# Altium PCB pixracer_pcb_layout_v2.PcbDoc (part 1 of 3) (continued)
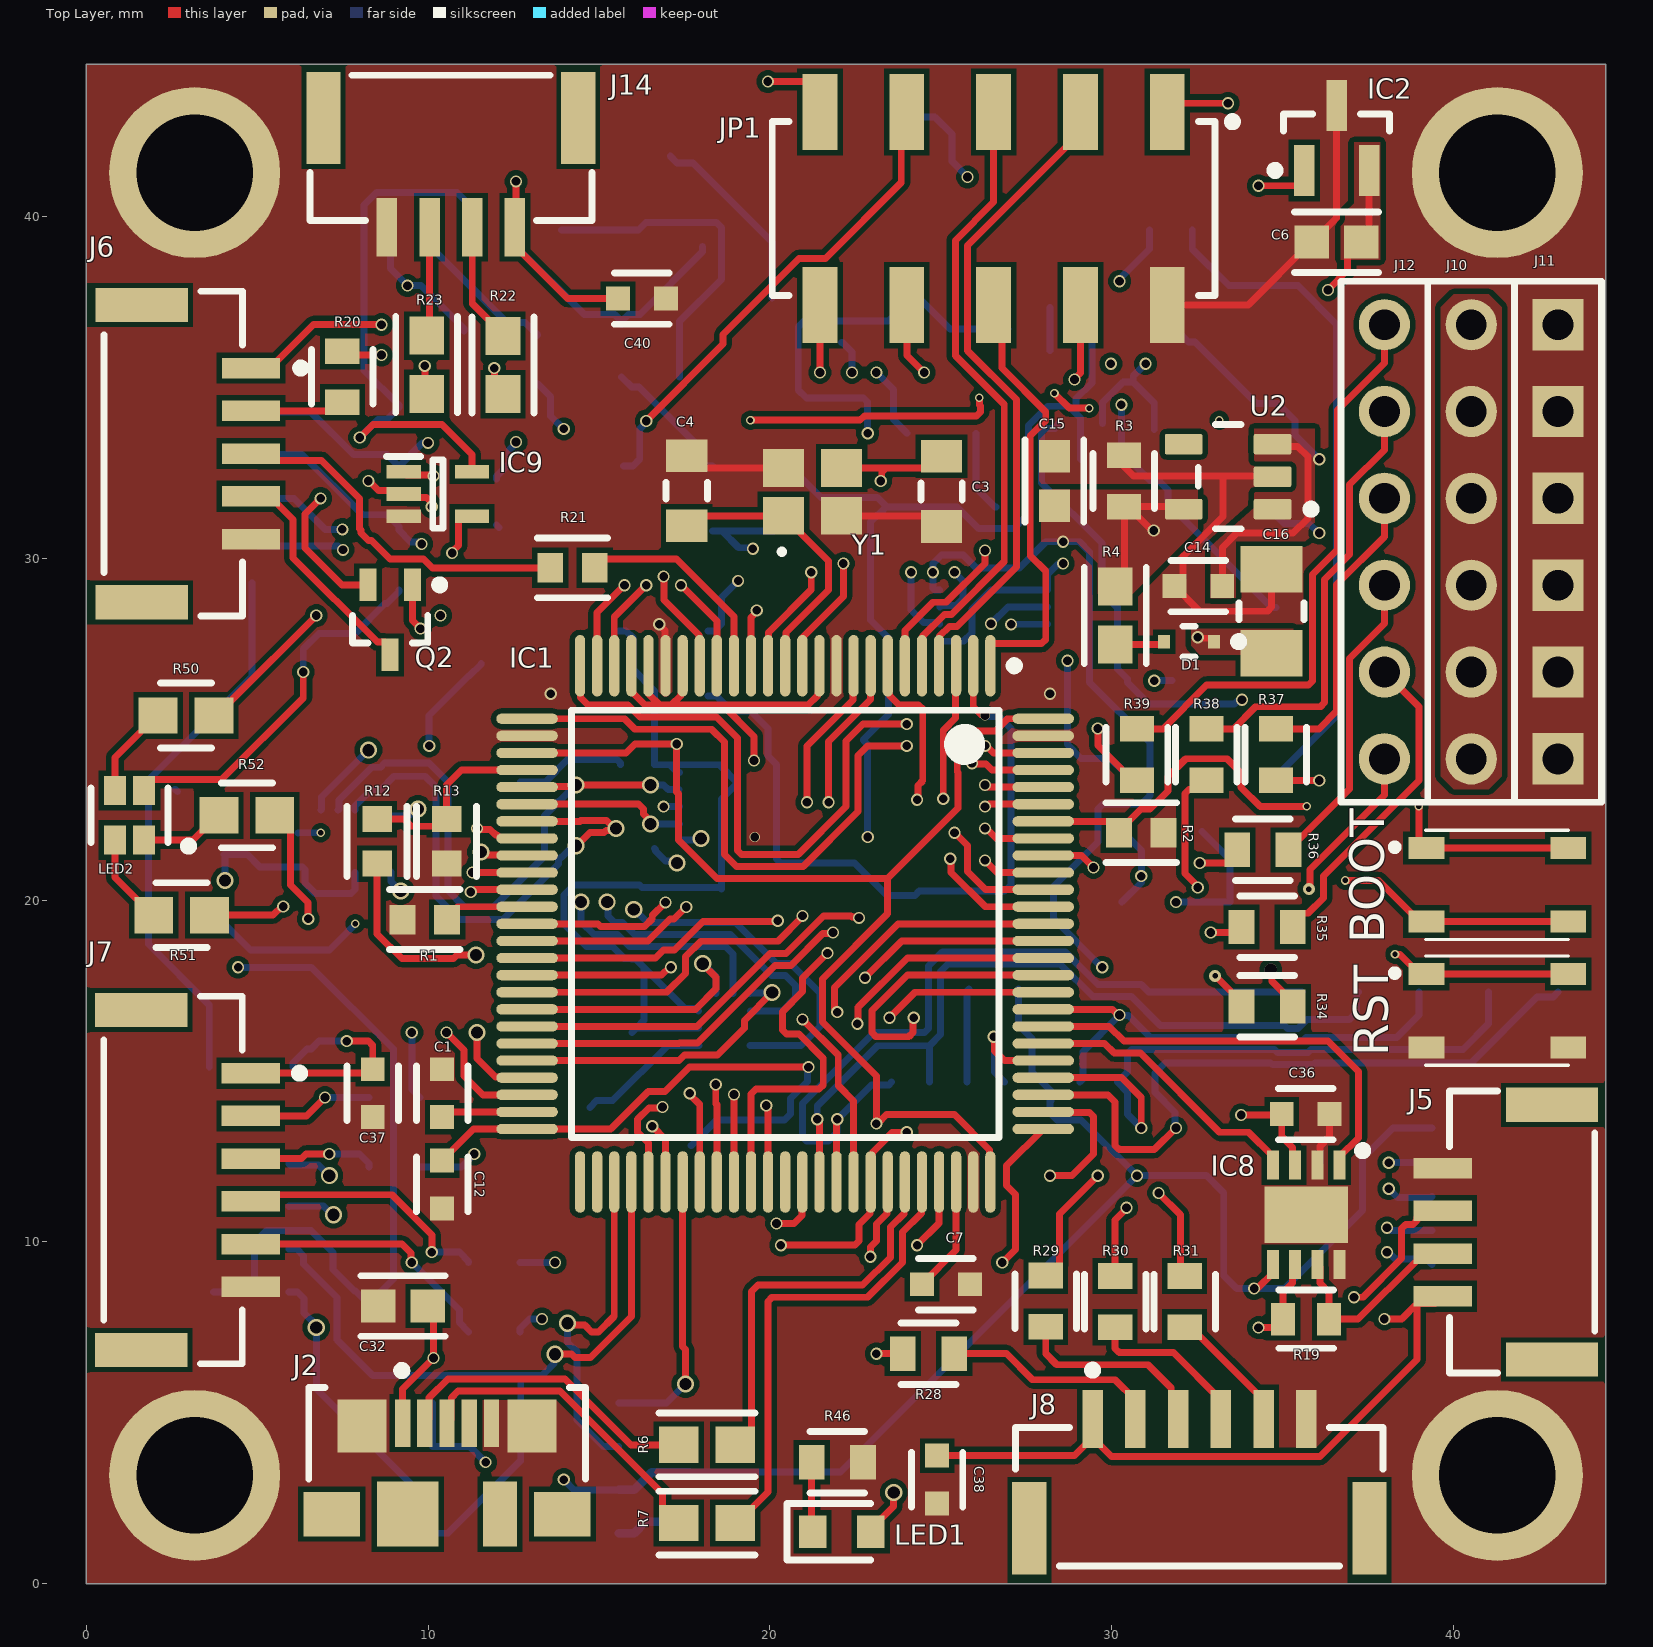
[diagram p0: Top Layer view]
## Classes and differential pairs
component class pixracer_serials: C37 C38 C39 C40 IC9 IC10 J6 J7 J8 J9 J10 J11 J12 J13 J14 JP1 R20 R21 R22 R23 R24 R25 R26 R27 R29 R30 R31 R32 R33 R34 R35 R36 R37 R38 R39 R40 R41
component class pixracer_sd_usb_can_i2c: C32 C33 C34 C35 C36 IC8 J2 J3 J4 J5 R6 R7 R8 R9 R10 R11 R12 R13 R14 R15 R16 R17 R18 R19
component class pixracer_power: C41 C42 C43 C44 C45 D2 D3 D4 D5 F1 F2 F3 IC11 LED1 LED2 Q1 Q2 R42 R43 R44 R45 R46 R47 R48 R49 R50 R51 R52 R53
component class pixracer_imu: C17 C18 C19 C22 C23 C24 C25 C26 C27 C28 C29 C46 C47 C48 IC5 IC6 U1 U3
component class pixracer_fmu: 0. BOOT C1 C2 C4 C5 C6 C7 C8 C9 C10 C11 C12 C13 C14 C15 D1 IC1 IC2 IC3 J1 R1 R3 R4 RST U2 Y1

## Components (designator, comment, footprint, x,y, rotation, side; value= is the part's Value field where it differs from the comment)
BOOT "PTS810SJK250SMTRLFS" PTS810SJG250SMTRLFS 41.275,20.447 r0 top (schematic designator S1)
C1 "C1608X7R1A225K080AC" FP-C1608-080-0_1-MFG 10.414,14.351 r270 top
C2 "0603ZC104MAT2A" FP-0603-L_1_6_0_15-W_0_81-IPC_B 18.415,12.827 r180 bottom
C3 "CGA3E2C0G1H080D080AA" FP-CGA3E-0_3-0_1-IPC_A 25.022,31.953 r270 top
C4 "CGA3E2C0G1H080D080AA" FP-CGA3E-0_3-0_1-IPC_A 17.567,31.975 r270 top
C5 "0603ZC104MAT2A" FP-0603-L_1_6_0_15-W_0_81-IPC_B 17.653,2.54 r270 bottom
C6 "0603ZC104MAT2A" FP-0603-L_1_6_0_15-W_0_81-IPC_B 36.576,39.243 r180 top
C7 "C1608X7R1A225K080AC" FP-C1608-080-0_1-MFG 25.146,8.763 r180 top
C8 "0603ZC104MAT2A" FP-0603-L_1_6_0_15-W_0_81-IPC_B 19.177,8.128 r90 bottom
C9 "0603ZC104MAT2A" FP-0603-L_1_6_0_15-W_0_81-IPC_B 17.145,8.128 r90 bottom
C10 "0603ZC104MAT2A" FP-0603-L_1_6_0_15-W_0_81-IPC_B 15.113,8.128 r90 bottom
C11 "0603ZC104MAT2A" FP-0603-L_1_6_0_15-W_0_81-IPC_B 18.415,10.795 r180 bottom
C12 "C1608X7R1A225K080AC" FP-C1608-080-0_1-MFG 10.414,11.684 r90 top
C13 "C1608X7R1A225K080AC" FP-C1608-080-0_1-MFG 15.494,10.668 r0 bottom
C14 "C1608X7R1A225K080AC" FP-C1608-080-0_1-MFG 32.531,29.182 r0 top
C15 "CL10A106KP8NNND" FP-CL10-IPC_B 28.321,32.258 r90 top
C16 "GRM31CR60G227ME11L" FP-GRM31C-0_3-e0_3_0_9-IPC_C 34.671,28.448 r90 top
C17 "C1608X7R1A225K080AC" FP-C1608-080-0_1-MFG 3.302,23.241 r0 bottom
C18 "0603ZC104MAT2A" FP-0603-L_1_6_0_15-W_0_81-IPC_B 3.302,21.336 r0 bottom
C19 "0603ZC104MAT2A" FP-0603-L_1_6_0_15-W_0_81-IPC_B 3.302,19.304 r0 bottom
C22 "C1608X7R1A225K080AC" FP-C1608-080-0_1-MFG 19.05,24.13 r270 bottom
C23 "0603ZC104MAT2A" FP-0603-L_1_6_0_15-W_0_81-IPC_B 19.304,20.32 r180 bottom
C24 "CL10B474KP8NNNC" FP-CL10-IPC_B 12.7,22.733 r270 bottom
C25 "0603ZC104MAT2A" FP-0603-L_1_6_0_15-W_0_81-IPC_B 8.255,8.89 r90 bottom
C26 "W2H13C1048AT1F" W2H13C1048AT1A 28.194,36.703 r180 bottom
C27 "C1608X7R1A225K080AC" FP-C1608-080-0_1-MFG 24.257,37.019 r270 bottom
C28 "0603ZC104MAT2A" FP-0603-L_1_6_0_15-W_0_81-IPC_B 13.589,26.198 r90 bottom
C29 "CL10A106KP8NNND" FP-CL10-IPC_B 11.557,26.198 r270 bottom
C32 "0603ZC104MAT2A" FP-0603-L_1_6_0_15-W_0_81-IPC_B 9.271,8.128 r0 top
C33 "C1608X5R1H103K080AA" FP-C1608-080-0_1-MFG 29.591,19.939 r180 bottom
C34 "C1608X5R1H103K080AA" FP-C1608-080-0_1-MFG 34.163,19.939 r0 bottom
C35 "0603ZC104MAT2A" FP-0603-L_1_6_0_15-W_0_81-IPC_B 26.543,17.399 r180 bottom
C36 "C1608X7R1A225K080AC" FP-C1608-080-0_1-MFG 35.67,13.738 r180 top
C37 "C1608X7R1A225K080AC" FP-C1608-080-0_1-MFG 8.382,14.351 r270 top
C38 "C1608X7R1A225K080AC" FP-C1608-080-0_1-MFG 24.892,3.048 r270 top
C39 "W2H13C1048AT1F" W2H13C1048AT1A 4.826,15.113 r180 bottom
C40 "C1608X7R1A225K080AC" FP-C1608-080-0_1-MFG 16.256,37.592 r0 top
C41 "C3216X5R1A107M160AC" FP-C3216-160-0_3-IPC_C 21.717,41.529 r270 bottom
C42 "C3216X5R1A107M160AC" FP-C3216-160-0_3-IPC_C 21.844,28.194 r180 bottom
C43 "CL10A106KP8NNND" FP-CL10-IPC_B 20.955,33.02 r0 bottom
C44 "CC0603KRX5R5BB106" FP-CC0603-0_15-0_95-IPC_B 11.998,31.646 r270 bottom
C45 "0603ZC104MAT2A" FP-0603-L_1_6_0_15-W_0_81-IPC_B 14.05,31.617 r270 bottom
C46 "0603ZC104MAT2A" FP-0603-L_1_6_0_15-W_0_81-IPC_B 15.24,16.129 r0 bottom
C47 "C1608X7R1A225K080AC" FP-C1608-080-0_1-MFG 15.621,18.034 r0 bottom
C48 "0603ZC104MAT2A" FP-0603-L_1_6_0_15-W_0_81-IPC_B 14.732,13.208 r90 bottom
D1 "BAS70-02V-V-G-08" FP-S8-V-3880_02-001-MFG 32.258,27.559 r180 top value=1.5pF
D2 "PMEG2020CPA,115" PMEG2020CPA115 29.083,33.143 r180 bottom locked
D3 "MMSZ5232BT1G" ONSC-SOD-123-2-425-04_V 33.528,36.83 r0 bottom
D4 "PMEG1030EH,115" SODFL3516X120N 25.019,31.496 r180 bottom
D5 "1N4448X-TP" 1N4448XTP 16.51,36.83 r180 bottom
F1 "0ZCJ0100FF2E" FUSC3216X100N 24.511,41.402 r90 bottom value="2A RST FUSE"
F2 "0ZCK0035FF2G" FUSC2214X75N 25.019,33.655 r180 bottom value="0.3A RST FUSE"
F3 "0ZCJ0100FF2E" FUSC3216X100N 34.544,33.02 r270 bottom value="1A RST FUSE"
IC1 "STM32F427VIT6" STM-LQFP100_N 20.447,19.304 r270 top
IC2 "MCP131T-300E/TT" SOT-23-TT3_N 36.576,42.291 r90 top
IC3 "FM25V02A-GTR" SOIC127P602X173-8N 12.853,3.385 r180 bottom
IC5 "ICM-20602" INSE-I62-16 16.129,22.733 r180 bottom
IC6 "MS561101BA03-50" MSI-MS561101BA03-50-8_V 4.826,10.414 r0 bottom
IC8 "TJA1051TK_3,118" SON65P300X300X100-9N-D 35.687,10.795 r270 top
IC9 "74LVC1G86SE-7" SOT65P210X110-5N 10.287,31.877 r0 top
IC10 "74LVC2G86DC,125" SOP50P310X100-8N 26.543,28.321 r180 bottom
IC11 "AP7365-33WG-7" SOT95P285X130-5N 17.018,31.75 r180 bottom
J1 "SM06B-SRSS-TB(LF)(SN)" JST-SM06B-SRSS-TB_V 41.82,10.835 r270 bottom
J2 "473460001" FP-473460001-MFG 10.556,2.389 r0 top
J3 "SM06B-GHS-TB(LF)(SN)" FP-SM06B-GHS-TB_LF_SN-MFG 31.728,41.874 r0 bottom
J4 "PJS008-2120-0" PJS00821200 28.637,0.678 r90 bottom locked
J5 "SM04B-GHS-TB_LF__SN_" SM04B-GHS-TB 39.878,10.287 r90 top
J6 "SM05B-GHS-TB(LF)(SN)" FP-SM05B-GHS-TB_LF_SN-MFG 2.551,33.06 r270 top
J7 "SM06B-GHS-TB(LF)(SN)" FP-SM06B-GHS-TB_LF_SN-MFG 2.54,11.811 r270 top
J8 "SM06B-GHS-TB(LF)(SN)" FP-SM06B-GHS-TB_LF_SN-MFG 32.562,2.551 r0 top
J9 "SM06B-GHS-TB(LF)(SN)" FP-SM06B-GHS-TB_LF_SN-MFG 2.576,32.407 r90 bottom
J10 "Header 6" HDR1X6#1 40.513,24.13 r90 top locked
J11 "Header 6" HDR1X6#2 43.053,24.13 r90 top
J12 "Header 6" HDR1X6#1 37.973,24.13 r90 top locked
J13 "SM05B-GHS-TB(LF)(SN)" FP-SM05B-GHS-TB_LF_SN-MFG 11.398,41.874 r0 bottom
J14 "SM04B-GHS-TB_LF__SN_" SM04B-GHS-TB 10.668,39.878 r180 top
JP1 "SSM-105-L-DV" SMTC-SSM-105-X-DV 26.543,40.228 r180 top locked
LED1 "APG1608ZGCK" LEDC1608X28N 22.098,1.524 r0 top
LED2 "LTST-C19HE1WT" FP-LTST-C19HE1WT-MFG 1.27,22.479 r180 top
Q1 "XP151A12A2MR-G" SOT95P280X130-3N 18.034,40.513 r270 bottom
Q2 "BSS223PW H6327" INF-PG-SOT-323_N 8.89,28.194 r270 top
R1 "ERJ-3GEYJ103V" FP-ERJ3G-IPC_C 9.906,19.431 r180 top
R2 "ERJ-3GEYJ103V" FP-ERJ3G-IPC_C 30.861,21.971 r0 top
R3 "CRCW0603220RFKEB" FP-CRCW0603-e3-MFG 30.353,32.258 r270 top
R4 "RC1608J102CS" FP-RC1608-IPC_A 30.099,28.321 r270 top
R5 "DNP" FP-CRCW0603-e3-MFG 13.335,28.956 r0 bottom
R6 "CRCW060322R0JNEAHP" FP-CRCW0603-HPe3-IPC_A 18.161,4.064 r0 top
R7 "CRCW060322R0JNEAHP" FP-CRCW0603-HPe3-IPC_A 18.161,1.778 r0 top
R8 "RC1608J102CS" FP-RC1608-IPC_A 30.353,22.86 r270 bottom
R9 "RC1608J102CS" FP-RC1608-IPC_A 32.639,22.86 r270 bottom
R10 "CRCW06031M00JNEAHP" FP-CRCW0603-HPe3-IPC_A 28.067,22.86 r270 bottom
R11 "CRCW06031M00JNEAHP" FP-CRCW0603-HPe3-IPC_A 34.925,22.86 r270 bottom
R12 "ERJ-3GEYJ103V" FP-ERJ3G-IPC_C 8.509,21.717 r90 top
R13 "ERJ-3GEYJ103V" FP-ERJ3G-IPC_C 10.541,21.717 r270 top
R14 "RMCF0603JT100K" FP-RMCF0603-IPC_C 35.56,17.907 r90 bottom
R15 "RMCF0603JT100K" FP-RMCF0603-IPC_C 43.053,17.907 r270 bottom
R16 "RMCF0603JT100K" FP-RMCF0603-IPC_C 41.021,17.907 r270 bottom
R17 "RMCF0603JT100K" FP-RMCF0603-IPC_C 38.989,17.907 r270 bottom
R18 "RMCF0603JT100K" FP-RMCF0603-IPC_C 37.211,17.907 r270 bottom
R19 "MCT06030D1200BP100" FP-MCT0603-MFG 35.682,7.743 r0 top
R20 "CRCW0603220RFKEB" FP-CRCW0603-e3-MFG 7.493,35.306 r270 top
R21 "ERJ-3GEYJ103V" FP-ERJ3G-IPC_C 14.224,29.718 r0 top
R22 "RC1608J102CS" FP-RC1608-IPC_A 12.192,35.649 r270 top
R23 "RC1608J102CS" FP-RC1608-IPC_A 9.96,35.659 r270 top
R24 "CRCW0603220RFKEB" FP-CRCW0603-e3-MFG 9.017,14.224 r180 bottom
R25 "CRCW0603220RFKEB" FP-CRCW0603-e3-MFG 9.017,12.192 r180 bottom
R26 "CRCW0603220RFKEB" FP-CRCW0603-e3-MFG 11.938,9.398 r180 bottom
R27 "CRCW0603220RFKEB" FP-CRCW0603-e3-MFG 11.938,7.366 r180 bottom
R28 "CRCW0603220RFKEB" FP-CRCW0603-e3-MFG 24.638,6.731 r0 top
R29 "CRCW0603220RFKEB" FP-CRCW0603-e3-MFG 28.067,8.267 r270 top
R30 "CRCW0603220RFKEB" FP-CRCW0603-e3-MFG 30.099,8.255 r270 top
R31 "CRCW0603220RFKEB" FP-CRCW0603-e3-MFG 32.131,8.255 r270 top
R32 "CPF0603B1K5E1" FP-CPF0603-MFG 9.144,29.972 r90 bottom value=1.5kR
R33 "CPF0603B1K5E1" FP-CPF0603-MFG 9.144,33.528 r270 bottom value=1.5kR
R34 "CRCW0603220RFKEB" FP-CRCW0603-e3-MFG 34.544,16.891 r180 top
R35 "CRCW0603220RFKEB" FP-CRCW0603-e3-MFG 34.544,19.216 r180 top
R36 "CRCW0603220RFKEB" FP-CRCW0603-e3-MFG 34.417,21.471 r180 top
R37 "CRCW0603220RFKEB" FP-CRCW0603-e3-MFG 34.798,24.257 r270 top
R38 "CRCW0603220RFKEB" FP-CRCW0603-e3-MFG 32.766,24.257 r270 top
R39 "CRCW0603220RFKEB" FP-CRCW0603-e3-MFG 30.734,24.257 r270 top
R40 "MCR03EZPFX1501" FP-MCR03-IPC_A 11.049,35.814 r270 bottom
R41 "CRCW060336R0JNEA" FP-CRCW0603-e3-IPC_B 13.208,35.814 r90 bottom
R42 "ERJ-3GEYJ103V" FP-ERJ3G-IPC_C 31.115,26.416 r0 bottom
R43 "CRCW0603470RJNEA" FP-CRCW0603-e3-IPC_A 30.988,28.575 r0 bottom
R44 "CRCW0603220RFKEB" FP-CRCW0603-e3-MFG 31.242,33.02 r270 bottom
R45 "CRCW0603220RFKEB" FP-CRCW0603-e3-MFG 34.798,27.813 r270 bottom
R46 "CRCW0603220RFKEB" FP-CRCW0603-e3-MFG 21.971,3.556 r0 top
R47 "RT0603BRD0710RL" FP-RT0603-MFG 16.51,35.306 r0 bottom value=10R
R48 "ERJ-3GEYJ103V" FP-ERJ3G-IPC_C 22.098,36.957 r90 bottom
R49 "ERJ-3GEYJ103V" FP-ERJ3G-IPC_C 20.066,36.957 r270 bottom
R50 "CRCW0603100RFKEB" FP-CRCW0603-e3-IPC_A 2.921,25.4 r0 top
R51 "CRCW0603100RFKEB" FP-CRCW0603-e3-IPC_A 2.794,19.558 r0 top
R52 "CRCW0603100RFKEB" FP-CRCW0603-e3-IPC_A 4.699,22.479 r0 top
R53 "ERJ-3GEYJ103V" FP-ERJ3G-IPC_C 20.828,30.861 r0 bottom
RST "PTS810SJK250SMTRLFS" PTS810SJG250SMTRLFS 41.275,16.764 r0 top (schematic designator S2)
U1 "LP5907QMFX-3.3Q1" FP-DBV0005A-MFG 16.891,26.924 r180 bottom
U2 "LP5907QMFX-3.3Q1" FP-DBV0005A-MFG 33.401,32.385 r180 top
U3 "LIS3MDLTR" FP-VFLGA-12-8365767-MFG 18.669,16.51 r90 bottom
Y1 "FA-20H_24.0000MF20X-K3" FA20H160000MF12ZAC3 21.248,31.939 r0 top locked

## Footprints (in the part's own frame and the unit in brackets; to place one, negate y for a bottom-side part, rotate by r counter-clockwise, add the part's x,y. Pads: shape width x height; smd on the part's side, far side on the other; paste and mask are expansions set on the pad)
1N4448XTP [mm]
  rect 0.6x0.8 smd: 1(-0.85,0) 2(0.85,0)
  silkscreen extent -0.2,-0.4 0.2,0.4, body extent -1.09,-0.4 1.09,0.4, height 0.75
FA20H160000MF12ZAC3 [mm]
  rect 1.2x1.1 smd: 1(-0.85,-0.7) 2(0.85,-0.7) 3(0.85,0.7) 4(-0.85,0.7)
  silkscreen extent -0.95,-1.8 -0.85,-1.7, body extent -1.34,-1.14 1.34,1.14, height 0.65
FP-0603-L_1_6_0_15-W_0_81-IPC_B [mm]
  rect 1.007x0.968 smd paste+0 mask+0: 1(-0.726,0) 2(0.726,0)
  silkscreen extent -1.23,-0.88 1.23,0.88, body extent -0.8,-0.41 0.8,0.41, height 0.9
FP-473460001-MFG [mm]
  rect 0.45x1.38 smd paste+0 mask+0: 1(-1.3,2.31) 2(-0.65,2.31) 3(0,2.31) 4(0.65,2.31) 5(1.3,2.31)
  rect 1.425x1.55 smd paste+0 mask+0: 6(-2.488,2.225) 7(2.488,2.225)
  rect 1.65x1.3 smd paste+0 mask+0: 8(-3.375,-0.35) 11(3.375,-0.35)
  rect 1.8x1.9 smd paste+0 mask+0: 9(-1.15,-0.35)
  rect 1x1.9 smd paste+0 mask+0: 10(1.55,-0.35)
  silkscreen extent -4.05,0.67 4.05,3.97, body extent -4.3,-2.48 4.3,3.45, height 0.25
FP-C1608-080-0_1-MFG [mm]
  rect 0.7x0.7 smd paste+0 mask+0: 1(-0.7,0) 2(0.7,0)
  silkscreen extent -0.8,-0.75 0.8,0.75, body extent -1.15,-0.55 1.15,0.55, height 0.25
FP-C3216-160-0_3-IPC_C [mm]
  rect 1.604x1.806 smd paste+0 mask+0: 1(-1.101,0) 2(1.101,0)
  silkscreen extent -1.9,-1.35 1.9,1.35, body extent -1.6,-0.8 1.6,0.8, height 1.9
FP-CC0603-0_15-0_95-IPC_B [mm]
  rect 1.106x0.958 smd paste+0 mask+0: 1(-0.676,0) 2(0.676,0)
  silkscreen extent -1.23,-0.88 1.23,0.88, body extent -0.8,-0.4 0.8,0.4, height 0.95
FP-CGA3E-0_3-0_1-IPC_A [mm]
  rect 0.956x1.206 smd paste+0 mask+0: 1(-1.025,0) 2(1.025,0)
  silkscreen extent -0.25,-0.6 0.25,0.6, body extent -2,-1.1 2,1.1, height 0.25
FP-CL10-IPC_B [mm]
  rect 0.958x0.912 smd paste+0 mask+0: 1(-0.727,0) 2(0.727,0)
  silkscreen extent -1.21,-0.86 1.21,0.86, body extent -1.46,-0.71 1.46,0.71, height 0.25
FP-CPF0603-MFG [mm]
  rect 1x0.9 smd paste+0 mask+0: 1(-0.9,0) 2(0.9,0)
  silkscreen extent -0.82,-0.82 0.82,0.82, body extent -0.77,-0.4 0.77,0.4, height 0.55
FP-CRCW0603-e3-IPC_A [mm]
  rect 1.135x1.062 smd paste+0 mask+0: 1(-0.815,0) 2(0.815,0)
  silkscreen extent -0.75,-0.95 0.75,0.95, body extent -0.77,-0.43 0.77,0.43, height 0.5
FP-CRCW0603-e3-IPC_B [mm]
  rect 0.935x0.962 smd paste+0 mask+0: 1(-0.715,0) 2(0.715,0)
  silkscreen extent -0.75,-0.95 0.75,0.9, body extent -0.77,-0.43 0.77,0.43, height 0.5
FP-CRCW0603-e3-MFG [mm]
  rect 0.75x1 smd paste+0 mask+0: 1(-0.75,0) 2(0.75,0)
  silkscreen extent -0.8,-0.9 0.8,0.9, body extent -1.22,-0.6 1.22,0.6, height 0.25
FP-CRCW0603-HPe3-IPC_A [mm]
  rect 1.158x1.062 smd paste+0 mask+0: 1(-0.827,0) 2(0.827,0)
  silkscreen extent -1.41,-0.93 1.41,0.93, body extent -1.91,-1.03 1.91,1.03, height 0.25
FP-DBV0005A-MFG [mm]
  rrect17% 1.1x0.6 smd paste+0 mask+0: 1(-1.3,0.95) 2(-1.3,0) 3(-1.3,-0.95) 4(1.3,-0.95) 5(1.3,0.95)
  silkscreen extent -2.55,-1.53 0.87,1.52, body extent -1.4,-1.45 1.4,1.45, height 1.45
FP-ERJ3G-IPC_C [mm]
  rect 0.757x0.862 smd paste+0 mask+0: 1(-0.651,0) 2(0.651,0)
  silkscreen extent -1.03,-0.87 1.03,0.87, body extent -1.13,-0.58 1.13,0.58, height 0.25
FP-GRM31C-0_3-e0_3_0_9-IPC_C [mm]
  rect 1.353x1.804 smd paste+0 mask+0: 1(-1.225,0) 2(1.225,0)
  silkscreen extent -0.25,-0.95 0.25,0.95, body extent -2,-1.05 2,1.05, height 0.25
FP-LTST-C19HE1WT-MFG [mm]
  rect 0.65x0.85 smd paste+0 mask+0: 1(-0.425,0.725) 2(0.425,0.725) 3(0.425,-0.725) 4(-0.425,-0.725)
  silkscreen extent -1.85,-0.8 1.12,1.02, body extent -0.95,-1.25 0.95,1.25, height 0.25
FP-MCR03-IPC_A [mm]
  rect 1.158x1.012 smd paste+0 mask+0: 1(-0.827,0) 2(0.827,0)
  silkscreen extent -1.41,-0.91 1.41,0.91, body extent -0.8,-0.4 0.8,0.4, height 0.55
FP-MCT0603-MFG [mm]
  rect 0.7x0.95 smd paste+0 mask+0: 1(-0.675,0) 2(0.675,0)
  silkscreen extent -0.8,-0.85 0.8,0.85, body extent -1.12,-0.58 1.12,0.58, height 0.25
FP-RC1608-IPC_A [mm]
  rect 1.11x1.012 smd paste+0 mask+0: 1(-0.851,0) 2(0.851,0)
  silkscreen extent -1.41,-0.91 1.41,0.91, body extent -1.91,-1.01 1.91,1.01, height 0.25
FP-RMCF0603-IPC_C [mm]
  rect 0.806x0.858 smd paste+0 mask+0: 1(-0.601,0) 2(0.601,0)
  silkscreen extent -1,-0.87 1,0.87, body extent -0.77,-0.4 0.77,0.4, height 0.55
FP-RT0603-MFG [mm]
  rect 0.9x0.8 smd paste+0 mask+0: 1(-0.85,0) 2(0.85,0)
  silkscreen extent -0.85,-0.81 0.86,0.8, body extent -0.76,-0.4 0.84,0.4, height 0.58
FP-S8-V-3880_02-001-MFG [mm]
  rect 0.35x0.4 smd paste+0 mask+0: 1(-0.725,0) 2(0.725,0)
  silkscreen extent -1.58,-0.45 0.18,0.45, body extent -1,-0.55 1,0.55, height 0.25
FP-SM05B-GHS-TB_LF_SN-MFG [mm]
  rect 0.6x1.7 smd paste+0 mask+0: 1(-2.5,2.275) 2(-1.25,2.275) 3(0,2.275) 4(1.25,2.275) 5(2.5,2.275)
  rect 1x2.7 smd paste+0 mask+0: 6(-4.35,-0.925) 7(4.35,-0.925)
  silkscreen extent -4.75,-2.02 4.75,3.85, body extent -4.95,-2.37 4.95,3.22, height 0.25
FP-SM06B-GHS-TB_LF_SN-MFG [mm]
  rect 0.6x1.7 smd paste+0 mask+0: 1(-3.125,2.275) 2(-1.875,2.275) 3(-0.625,2.275) 4(0.625,2.275) 5(1.875,2.275) 6(3.125,2.275)
  rect 1x2.7 smd paste+0 mask+0: 7(-4.975,-0.925) 8(4.975,-0.925)
  silkscreen extent -5.38,-2.02 5.38,3.82, body extent -5.38,-2.02 5.38,2.83, height 4.45
FP-VFLGA-12-8365767-MFG [mm]
  rect 0.275x0.25 smd paste+0 mask+0: 1(-0.763,0.75) 2(-0.763,0.25) 3(-0.763,-0.25) 4(-0.763,-0.75) 7(0.763,-0.75) 8(0.763,-0.25) 9(0.763,0.25) 10(0.763,0.75)
  rect 0.25x0.275 smd paste+0 mask+0: 5(-0.25,-0.763) 6(0.25,-0.763) 11(0.25,0.763) 12(-0.25,0.763)
  silkscreen extent -2.1,-1.38 1.38,1.38, body extent -1,-1 1,1, height 1
FUSC2214X75N [mm]
  rect 1x1.52 smd: 1(-1.01,0) 2(1.01,0)
  silkscreen extent 0,-0.58 0,0.58, body extent -1.07,-0.67 1.07,0.67, height 0.75
FUSC3216X100N [mm]
  rect 1.2x1.82 smd: 1(-1.505,0) 2(1.505,0)
  silkscreen extent 0,-0.72 0,0.72, body extent -1.63,-0.82 1.63,0.82, height 1
HDR1X6#1 [mm] "Connector; Header; 6 Position"
  round 1.5 hole 0.9: 1(0,0) 2(2.54,0) 3(5.08,0) 4(7.62,0) 5(10.16,0) 6(12.7,0)
  silkscreen extent -1.27,-1.27 13.97,1.27
HDR1X6#2 [mm] "Connector; Header; 6 Position"
  rect 1.5x1.5 hole 0.9: 1(0,0) 2(2.54,0) 3(5.08,0) 4(7.62,0) 5(10.16,0) 6(12.7,0)
  silkscreen extent -1.27,-1.27 13.97,1.27
INF-PG-SOT-323_N [mm] "SOT3, 3-Leads, Body 2x1.25mm, Pitch 0.65mm, IPC Medium Density"
  rect 0.95x0.5 smd: 1(-1.025,0.65) 2(-1.025,-0.65) 3(1.025,0)
  silkscreen extent -1.15,-1.1 0.67,1.58, body extent -0.67,-1.1 0.67,1.1, height 1
INSE-I62-16 [mm] "LGA, 16-Leads, Body 3x3mm, Pitch 0.5mm"
  rect 0.35x0.25 smd: 1(-1.225,1) 2(-1.225,0.5) 3(-1.225,0) 4(-1.225,-0.5) 5(-1.225,-1) 9(1.225,-1) 10(1.225,-0.5) 11(1.225,0) 12(1.225,0.5) 13(1.225,1)
  rect 0.25x0.35 smd: 6(-0.5,-1.225) 7(0,-1.225) 8(0.5,-1.225) 14(0.5,1.225) 15(0,1.225) 16(-0.5,1.225)
  body extent -1.5,-1.5 1.5,1.5, height 0.8
JST-SM06B-SRSS-TB_V [mm] "SMD, 6-Leads, Body 8x4.25mm, Pitch 1mm"
  rect 0.6x1.55 smd: 1(-2.5,2.45) 2(-1.5,2.45) 3(-0.5,2.45) 4(0.5,2.45) 5(1.5,2.45) 6(2.5,2.45)
  rect 1.2x1.8 smd: MP1(-3.8,-1.425) MP2(3.8,-1.425)
  silkscreen extent -4,-2.12 4,3.9, body extent -4,-2.12 4,2.83, height 2.96
LEDC1608X28N [mm]
  rect 0.8x0.95 smd: 1(-0.85,0) 2(0.85,0)
  silkscreen extent -1.6,-0.82 0.85,0.82
MSI-MS561101BA03-50-8_V [mm] "SMD, 8-Leads, Body 5x3mm, Pitch 1.25mm"
  rect 1.1x0.6 smd: 1(-1.1,1.875) 2(-1.1,0.625) 3(-1.1,-0.625) 4(-1.1,-1.875) 5(1.1,-1.875) 6(1.1,-0.625) 7(1.1,0.625) 8(1.1,1.875)
  silkscreen extent -2.32,-2.5 0.15,2.5, body extent -1.5,-2.5 1.5,2.5, height 1
ONSC-SOD-123-2-425-04_V [mm] "SOD, 2-Leads, Body 2.69x1.6mm"
  rect 0.91x1.22 smd: 1(-1.635,0) 2(1.635,0)
  silkscreen extent -1.76,-0.8 0.78,1.28, body extent -1.35,-0.8 1.35,0.8, height 1.35
PJS00821200 [mm]
  rect 1.4x0.8 smd: 1(14,2.625) 2(14,1.525) 3(14,0.425) 4(14,-0.675) 5(14,-1.775) 6(14,-2.875) 7(14,-3.975) 8(14,-5.075)
  rect 1.3x1.5 smd: CD1(9.45,-7)
  rect 2.6x1.45 smd: G1(12,7.375)
  rect 2.4x1.4 smd: G2(1.1,7.05)
  rect 1.72x1.4 smd: G3(0.36,-1.4)
  rect 1.67x1.1 smd: MP1(0.335,-3.75)
  silkscreen extent 0,-7.25 15.2,7.25, body extent -0.39,-7.62 15.2,7.96, height 1.6
PMEG2020CPA115 [mm]
  rect 0.4x0.5 smd: 1(-0.65,0.8) 2(0.65,0.8)
  rect 1.6x1.1 smd: 3(0,-0.25)
  rect 0.4x0.35 smd: 4(0,-0.975)
  silkscreen extent -1,-1 1,1.59, body extent -1,-1 1,1, height 0.61
PTS810SJG250SMTRLFS [mm]
  rect 1.05x0.65 smd: 1(-2.075,1.075) 2(2.075,1.075) 3(-2.075,-1.075) 4(2.075,-1.075)
  silkscreen extent -3.1,-1.6 2.07,1.6, body extent -2.3,-1.6 2.3,1.6, height 2.7
SM04B-GHS-TB [mm]
  rect 0.6x1.7 smd: 1(-1.875,0.2) 2(-0.625,0.2) 3(0.625,0.2) 4(1.875,0.2)
  rect 1x2.7 smd: 5(-3.725,-3) 6(3.725,-3)
  silkscreen extent -4.13,-4.25 4.13,0, body extent -4.12,-4.13 4.13,0.72, height 4.45
SMTC-SSM-105-X-DV [mm] "C.L. Double Vertical SMT Socket Strip, 2x5 Pins, 2.54mm Pitch, Female"
  rect 1.02x2.22 smd: 1(-5.08,-2.825) 2(-5.08,2.825) 3(-2.54,-2.825) 4(-2.54,2.825) 5(0,-2.825) 6(0,2.825) 7(2.54,-2.825) 8(2.54,2.825) 9(5.08,-2.825) 10(5.08,2.825)
  silkscreen extent -7.11,-2.66 6.48,2.54, body extent -6.35,-3.52 6.35,3.52, height 7.49
SODFL3516X120N [mm]
  rect 0.82x0.76 smd: 1(-1.6,0) 2(1.6,0)
  silkscreen extent -2.01,-0.8 1.3,0.8, body extent -1.75,-0.8 1.75,0.8, height 1.2
SOIC127P602X173-8N [mm]
  rect 1.551x0.65 smd: 1(-2.725,1.905) 2(-2.725,0.635) 3(-2.725,-0.635) 4(-2.725,-1.905) 5(2.725,-1.905) 6(2.725,-0.635) 7(2.725,0.635) 8(2.725,1.905)
  silkscreen extent -3.5,-2.44 1.6,2.58, body extent -3.01,-2.44 3.01,2.44, height 1.73
SON65P300X300X100-9N-D [mm]
  rect 0.85x0.35 smd: 1(-1.45,0.975) 2(-1.45,0.325) 3(-1.45,-0.325) 4(-1.45,-0.975) 5(1.45,-0.975) 6(1.45,-0.325) 7(1.45,0.325) 8(1.45,0.975)
  rect 1.65x2.45 smd: 9(0,0)
  silkscreen extent -2,1.53 -1.75,1.78, body extent -1.55,-1.5 1.55,1.5, height 1
SOP50P310X100-8N [mm]
  rect 0.85x0.3 smd: 1(-1.575,0.75) 2(-1.575,0.25) 3(-1.575,-0.25) 4(-1.575,-0.75) 5(1.575,-0.75) 6(1.575,-0.25) 7(1.575,0.25) 8(1.575,0.75)
  silkscreen extent -2,-1 0.8,1.25, body extent -1.55,-0.95 1.56,1.05, height 0.8
SOT65P210X110-5N [mm]
  rect 1x0.4 smd: 1(-1,0.65) 2(-1,0) 3(-1,-0.65) 4(1,-0.65) 5(1,0.65)
  silkscreen extent -1.5,-1 0.15,1.1, body extent -1.05,-1 1.05,1, height 1.1
SOT95P280X130-3N [mm]
  rect 0.9x0.6 smd: 1(-1.4,0.95) 2(-1.4,-0.95) 3(1.4,0)
  silkscreen extent -1.85,-1.45 0.6,1.5, body extent -1.4,-1.45 1.4,1.45, height 1.3
SOT95P285X130-5N [mm]
  rect 1.15x0.6 smd: 1(-1.3,0.95) 2(-1.3,0) 3(-1.3,-0.95) 4(1.3,-0.95) 5(1.3,0.95)
  silkscreen extent -1.88,-1.5 0.38,1.5, body extent -1.43,-1.5 1.43,1.5, height 1.3